# KiCad board output.Panel_R0.5.1_300x300_2layer_step1_Modified_1and5_only.kicad_pcb
title: microRusEfi; date: 2020-05-01; rev: R0.5.1
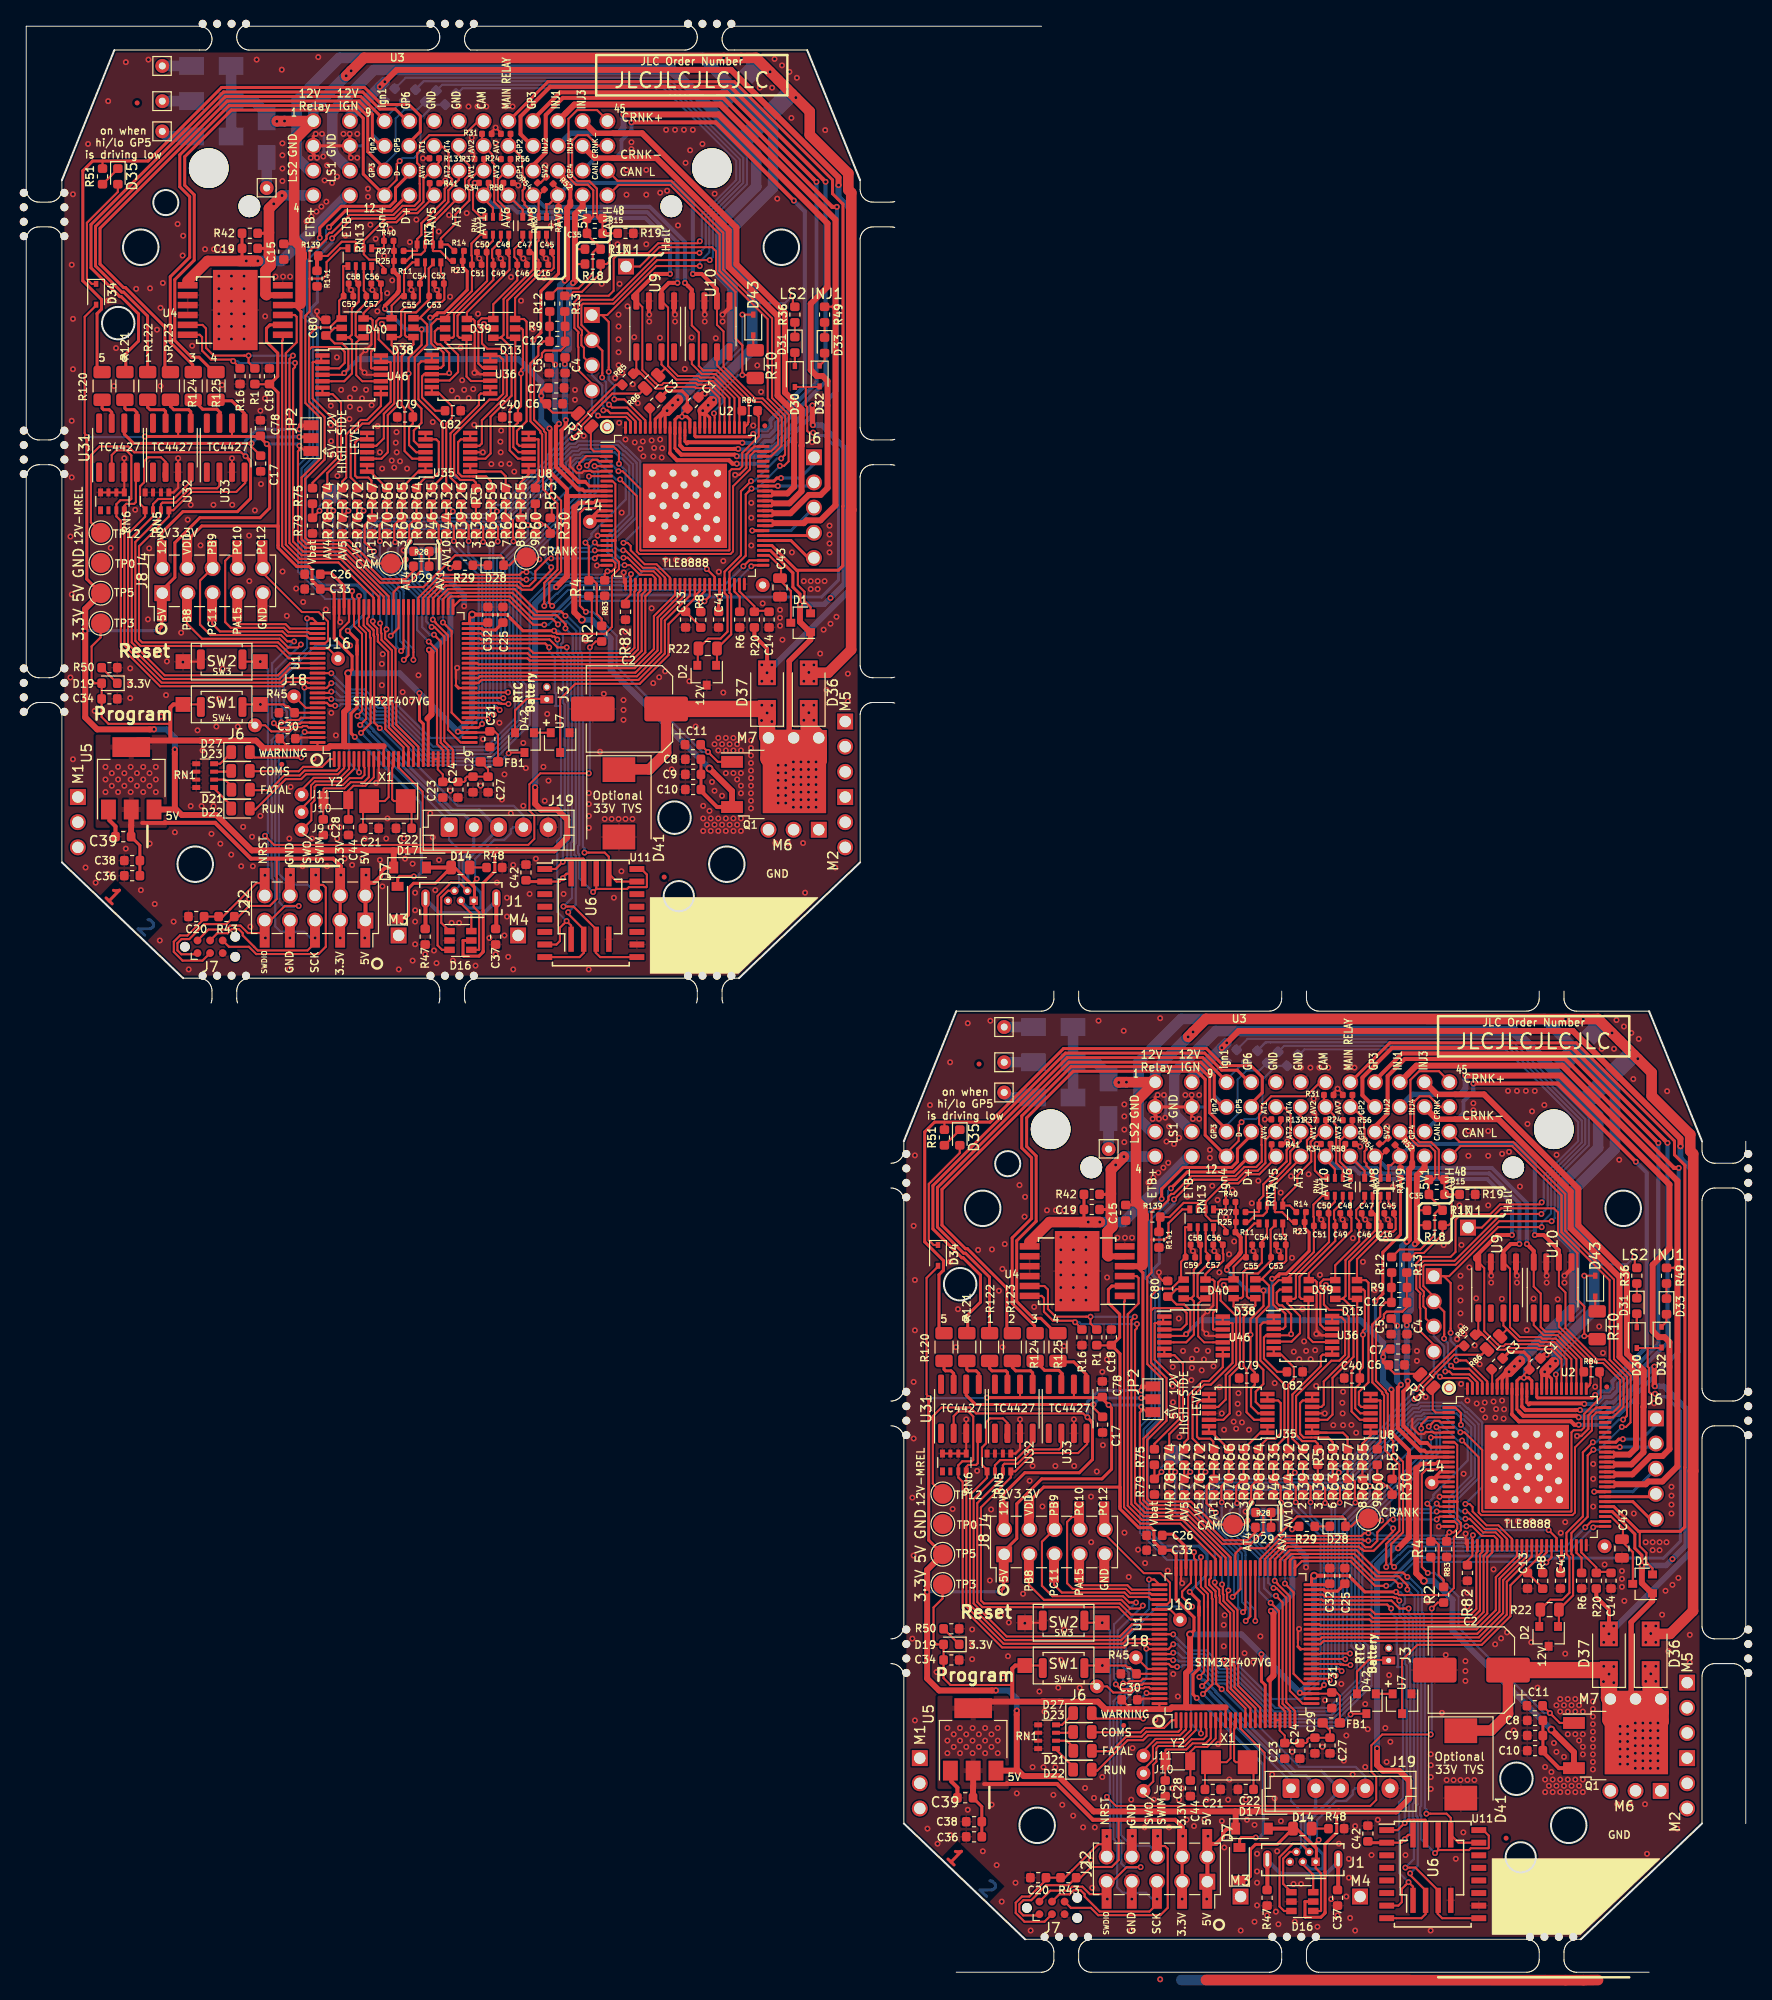
[diagram p0: board, top side]
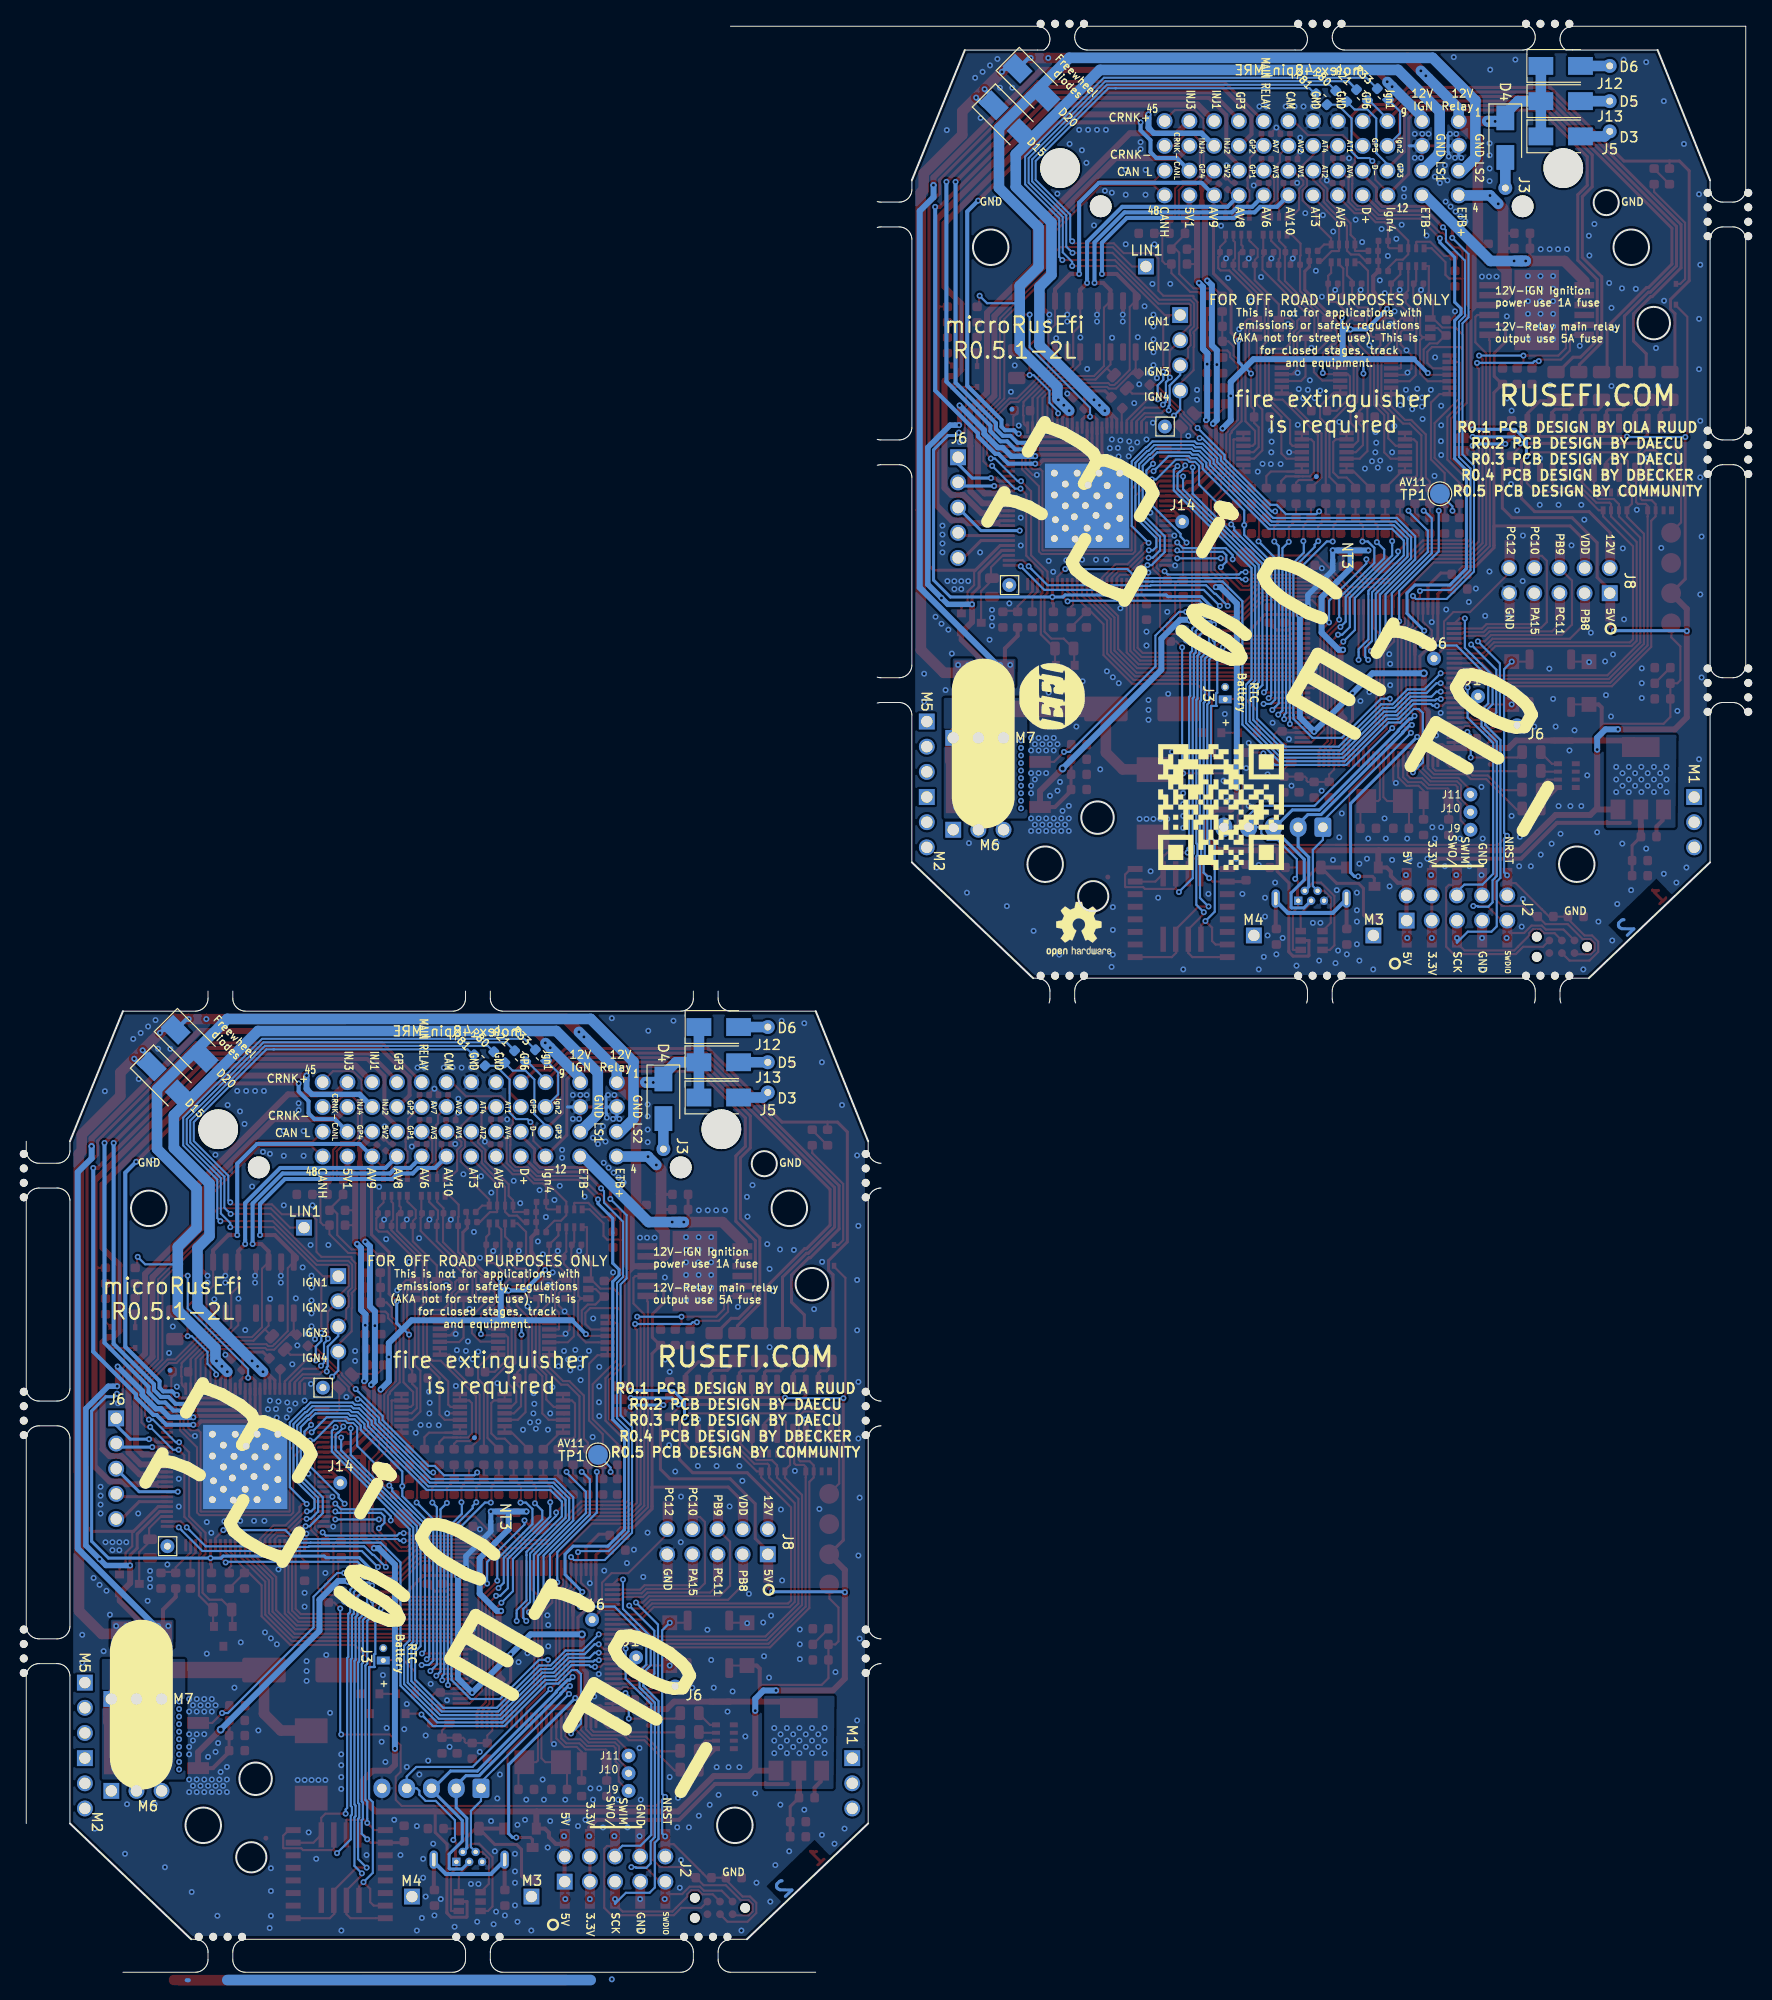
[diagram p1: board, bottom side, seen from below]

Outline 173.6 x 196.4 mm; copper layers: Top, Bottom. Coordinates in mm from the lower left corner of the outline.

## Placement (name value [footprint] x y rotation side)
C1  100nF  [C_0603_1608Metric]  67.3 158.4 45 top
C1#2  100nF  [C_0603_1608Metric]  152.3 61.4 45 top
C2  100UF 50V  [CP_Elec_8x10.5]  60.9 127.5 180 top
C2#2  100UF 50V  [CP_Elec_8x10.5]  145.9 30.5 180 top
C3  4.7nF  [C_0603_1608Metric]  148.5 61.4 225 top
C3#2  4.7nF  [C_0603_1608Metric]  63.5 158.4 225 top
C4  470nF  [C_0603_1608Metric]  54.4 162.19 270 top
C4#2  470nF  [C_0603_1608Metric]  139.4 65.19 270 top
C5  470nF  [C_0603_1608Metric]  52.8 162.19 270 top
C5#2  470nF  [C_0603_1608Metric]  137.8 65.19 270 top
C6  100nF  [C_0603_1608Metric]  53.36 158.3 0 top
C6#2  100nF  [C_0603_1608Metric]  138.36 61.3 0 top
C7  10uF  [C_0603_1608Metric]  53.51 159.9 0 top
C7#2  10uF  [C_0603_1608Metric]  138.51 62.9 0 top
C8  10uF  [C_0603_1608Metric]  67.33 122.42 180 top
C8#2  10uF  [C_0603_1608Metric]  152.33 25.42 180 top
C9  10uF  [C_0603_1608Metric]  67.33 120.89 180 top
C9#2  10uF  [C_0603_1608Metric]  152.33 23.89 180 top
C10  100nF  [C_0603_1608Metric]  67.33 119.37 180 top
C10#2  100nF  [C_0603_1608Metric]  152.33 22.37 180 top
C11  4.7nF  [C_0603_1608Metric]  67.3 123.9 180 top
C11#2  4.7nF  [C_0603_1608Metric]  152.3 26.9 180 top
C12  1nF  [C_0603_1608Metric]  53.61 164.6 0 top
C12#2  1nF  [C_0603_1608Metric]  138.61 67.6 0 top
C13  100nF  [C_0603_1608Metric]  66.57 136.52 270 top
C13#2  100nF  [C_0603_1608Metric]  151.57 39.52 270 top
C14  100nF  [C_0603_1608Metric]  75 136.52 270 top
C14#2  100nF  [C_0603_1608Metric]  160 39.52 270 top
C15  100nF  [C_0603_1608Metric]  26 173.65 270 top
C15#2  100nF  [C_0603_1608Metric]  111 76.65 270 top
C16  100nF  [C_0402_1005Metric]  52.6 173.6 180 top
C16#2  100nF  [C_0402_1005Metric]  137.6 76.6 180 top
C17  100nF  [C_0603_1608Metric]  23.67 152.26 270 top
C17#2  100nF  [C_0603_1608Metric]  108.67 55.27 270 top
C18  100nF  [C_0603_1608Metric]  24.55 161.08 90 top
C18#2  100nF  [C_0603_1608Metric]  109.55 64.08 90 top
C19  10nF  [C_0603_1608Metric]  22.57 173.98 0 top
C19#2  10nF  [C_0603_1608Metric]  107.57 76.98 0 top
C20  10nF  [C_0603_1608Metric]  17.16 106.55 0 top
C20#2  10nF  [C_0603_1608Metric]  102.16 9.55 0 top
C21  18pF  [C_0603_1608Metric]  34.79 115.45 0 top
C21#2  18pF  [C_0603_1608Metric]  119.79 18.45 0 top
C22  18pF  [C_0603_1608Metric]  38.12 115.45 180 top
C22#2  18pF  [C_0603_1608Metric]  123.12 18.45 180 top
C23  1uF  [C_0603_1608Metric]  42.06 119.35 90 top
C23#2  1uF  [C_0603_1608Metric]  127.06 22.35 90 top
C24  100nF  [C_0603_1608Metric]  43.58 119.35 90 top
C24#2  100nF  [C_0603_1608Metric]  128.58 22.35 90 top
C25  2.2uF  [C_0603_1608Metric]  48.13 137 90 top
C25#2  2.2uF  [C_0603_1608Metric]  133.13 40 90 top
C26  2.2uF  [C_0603_1608Metric]  28.9 141.09 180 top
C26#2  2.2uF  [C_0603_1608Metric]  113.9 44.09 180 top
C27  1uF  [C_0603_1608Metric]  46.63 119.88 90 top
C27#2  1uF  [C_0603_1608Metric]  131.63 22.88 90 top
C28  6.8pF  [C_0603_1608Metric]  29.99 115.56 270 top
C28#2  6.8pF  [C_0603_1608Metric]  114.99 18.56 270 top
C29  10nF  [C_0603_1608Metric]  45.1 119.88 90 top
C29#2  10nF  [C_0603_1608Metric]  130.1 22.88 90 top
C30  100nF  [C_0603_1608Metric]  26.38 124.5 180 top
C30#2  100nF  [C_0603_1608Metric]  111.38 27.5 180 top
C31  100nF  [C_0603_1608Metric]  46.8 124.45 90 top
C31#2  100nF  [C_0603_1608Metric]  131.8 27.45 90 top
C32  100nF  [C_0603_1608Metric]  46.6 137 270 top
C32#2  100nF  [C_0603_1608Metric]  131.6 40 270 top
C33  100nF  [C_0603_1608Metric]  28.9 139.6 0 top
C33#2  100nF  [C_0603_1608Metric]  113.9 42.6 0 top
C34  100nF  [C_0603_1608Metric]  8.4 128.52 180 top
C34#2  100nF  [C_0603_1608Metric]  93.4 31.52 180 top
C35  1nF  [C_0603_1608Metric]  57.4 175.5 0 top
C35#2  1nF  [C_0603_1608Metric]  142.4 78.5 0 top
C36  1uF  [C_0603_1608Metric]  10.69 110.67 0 top
C36#2  1uF  [C_0603_1608Metric]  95.69 13.67 0 top
C37  100nF  [C_0603_1608Metric]  47.39 104.51 270 top
C37#2  100nF  [C_0603_1608Metric]  132.39 7.51 270 top
C38  100nF  [C_0603_1608Metric]  10.69 112.2 180 top
C38#2  100nF  [C_0603_1608Metric]  95.69 15.2 180 top
C39  22uF  [C_0603_1608Metric]  9.8 114.61 0 top
C39#2  22uF  [C_0603_1608Metric]  94.8 17.61 0 top
C40  10nF  [C_0603_1608Metric]  48.85 156.96 180 top
C40#2  10nF  [C_0603_1608Metric]  133.85 59.96 180 top
C41  2.2uF  [C_0603_1608Metric]  69.9 136.52 270 top
C41#2  2.2uF  [C_0603_1608Metric]  154.9 39.52 270 top
C42  100nF  [C_0603_1608Metric]  50.45 111 270 top
C42#2  100nF  [C_0603_1608Metric]  135.45 14 270 top
C43  22uF 25V  [C_0805_2012Metric]  76.1 139.76 270 top
C43#2  22uF 25V  [C_0805_2012Metric]  161.1 42.76 270 top
C44  6.8pF  [C_0603_1608Metric]  32.53 115.56 90 top
C44#2  6.8pF  [C_0603_1608Metric]  117.53 18.56 90 top
C45  100nF  [C_0402_1005Metric]  52.22 172.33 0 top
C45#2  100nF  [C_0402_1005Metric]  137.22 75.33 0 top
C46  100nF  [C_0402_1005Metric]  50.31 173.6 180 top
C46#2  100nF  [C_0402_1005Metric]  135.31 76.6 180 top
C47  100nF  [C_0402_1005Metric]  50.06 172.33 0 top
C47#2  100nF  [C_0402_1005Metric]  135.06 75.33 0 top
C48  100nF  [C_0402_1005Metric]  48.15 173.6 180 top
C48#2  100nF  [C_0402_1005Metric]  133.15 76.6 180 top
C49  100nF  [C_0402_1005Metric]  47.64 172.33 0 top
C49#2  100nF  [C_0402_1005Metric]  132.64 75.33 0 top
C50  100nF  [C_0402_1005Metric]  45.99 173.6 180 top
C50#2  100nF  [C_0402_1005Metric]  130.99 76.6 180 top
C51  100nF  [C_0402_1005Metric]  45.48 172.33 0 top
C51#2  100nF  [C_0402_1005Metric]  130.48 75.33 0 top
C52  100nF  [C_0402_1005Metric]  41.67 170.43 180 top
C52#2  100nF  [C_0402_1005Metric]  126.67 73.43 180 top
C53  100nF  [C_0402_1005Metric]  41.17 169.16 0 top
C53#2  100nF  [C_0402_1005Metric]  126.17 72.16 0 top
C54  100nF  [C_0402_1005Metric]  39.26 170.43 180 top
C54#2  100nF  [C_0402_1005Metric]  124.26 73.43 180 top
C55  100nF  [C_0402_1005Metric]  38.63 169.16 0 top
C55#2  100nF  [C_0402_1005Metric]  123.63 72.16 0 top
C56  100nF  [C_0402_1005Metric]  35.32 170.43 180 top
C56#2  100nF  [C_0402_1005Metric]  120.32 73.43 180 top
C57  100nF  [C_0402_1005Metric]  34.82 169.16 0 top
C57#2  100nF  [C_0402_1005Metric]  119.82 72.16 0 top
C58  100nF  [C_0402_1005Metric]  33.04 170.43 180 top
C58#2  100nF  [C_0402_1005Metric]  118.04 73.43 180 top
C59  100nF  [C_0402_1005Metric]  32.53 169.16 0 top
C59#2  100nF  [C_0402_1005Metric]  117.53 72.16 0 top
C78  100nF  [C_0603_1608Metric]  23.64 155.85 90 top
C78#2  100nF  [C_0603_1608Metric]  108.64 58.85 90 top
C79  10nF  [C_0603_1608Metric]  38.25 156.96 180 top
C79#2  10nF  [C_0603_1608Metric]  123.25 59.96 180 top
C80  10nF  [C_0603_1608Metric]  30.24 165.98 90 top
C80#2  10nF  [C_0603_1608Metric]  115.24 68.98 90 top
C82  10nF  [C_0603_1608Metric]  43.07 157.6 0 top
C82#2  10nF  [C_0603_1608Metric]  128.07 60.6 0 top
D1  BAV70  [SOT-23]  78.19 136.2 180 top
D1#2  BAV70  [SOT-23]  163.19 39.2 180 top
D2  PESD1CAN-UX  [SOT-23]  68.7 130.9 270 top
D2#2  PESD1CAN-UX  [SOT-23]  153.7 33.9 270 top
D3  SS54  [D_SMA]  18.69 185.28 180 bottom
D3#2  SS54  [D_SMA]  103.69 88.28 180 bottom
D4  SS54  [D_SMA]  24.27 185.16 270 bottom
D4#2  SS54  [D_SMA]  109.28 88.16 270 bottom
D5  SS54  [D_SMA]  18.69 188.84 180 bottom
D5#2  SS54  [D_SMA]  103.69 91.84 180 bottom
D6  SS54  [D_SMA]  18.69 192.4 180 bottom
D6#2  SS54  [D_SMA]  103.69 95.4 180 bottom
D7  B5819W  [D_SOD-123]  37.48 107.94 90 top
D7#2  B5819W  [D_SOD-123]  122.48 10.94 90 top
D13  SRV05-4  [SOT-23-6]  48.25 165.9 0 top
D13#2  SRV05-4  [SOT-23-6]  133.25 68.9 0 top
D14  LED-GREEN  [C_0805_2012Metric]  43.83 111.5 180 top
D14#2  LED-GREEN  [C_0805_2012Metric]  128.83 14.5 180 top
D15  SS54  [D_SMA]  74.51 187.01 225 bottom
D15#2  SS54  [D_SMA]  159.51 90.01 225 bottom
D16  SRV05-4  [SOT-23-6]  43.83 104.13 0 top
D16#2  SRV05-4  [SOT-23-6]  128.83 7.13 0 top
D17  B5819W  [D_SOD-123]  38.75 111.5 0 top
D17#2  B5819W  [D_SOD-123]  123.75 14.5 0 top
D19  LED-RED  [LED_0603_1608Metric]  8.4 130.09 180 top
D19#2  LED-RED  [LED_0603_1608Metric]  93.4 33.09 180 top
D20  SS54  [D_SMA]  72.1 190.7 225 bottom
D20#2  SS54  [D_SMA]  157.1 93.7 225 bottom
D21  LED-RED  [LED_0805_2012Metric]  21.65 119.35 0 top
D21#2  LED-RED  [LED_0805_2012Metric]  106.65 22.35 0 top
D22  LED-GREEN  [LED_0805_2012Metric]  21.63 117.45 0 top
D22#2  LED-GREEN  [LED_0805_2012Metric]  106.63 20.45 0 top
D23  LED-BLUE  [LED_0805_2012Metric]  21.63 121.25 0 top
D23#2  LED-BLUE  [LED_0805_2012Metric]  106.63 24.25 0 top
D27  LED-YELLOW  [LED_0805_2012Metric]  21.63 123.15 0 top
D27#2  LED-YELLOW  [LED_0805_2012Metric]  106.63 26.15 0 top
D28  LED-RED  [LED_0603_1608Metric]  47.4 142 0 top
D28#2  LED-RED  [LED_0603_1608Metric]  132.4 45 0 top
D29  LED-RED  [LED_0603_1608Metric]  39.9 143.4 180 top
D29#2  LED-RED  [LED_0603_1608Metric]  124.9 46.4 180 top
D30  1N4148WS  [D_SOD-323]  77.6 161.05 270 top
D30#2  1N4148WS  [D_SOD-323]  162.6 64.05 270 top
D31  LED-RED  [LED_0603_1608Metric]  77.6 164.25 270 top
D31#2  LED-RED  [LED_0603_1608Metric]  162.6 67.25 270 top
D32  1N4148WS  [D_SOD-323]  80.1 161.1 270 top
D32#2  1N4148WS  [D_SOD-323]  165.1 64.1 270 top
D33  LED-RED  [LED_0603_1608Metric]  80.6 164.2 270 top
D33#2  LED-RED  [LED_0603_1608Metric]  165.6 67.2 270 top
D34  1N4148WS  [D_SOD-323]  7.05 169.35 270 top
D34#2  1N4148WS  [D_SOD-323]  92.05 72.35 270 top
D35  LED-RED  [LED_0603_1608Metric]  9.25 181.25 270 top
D35#2  LED-RED  [LED_0603_1608Metric]  94.25 84.25 270 top
D36  SS54  [D_SMA]  79 129.15 90 top
D36#2  SS54  [D_SMA]  164 32.15 90 top
D37  SS54  [D_SMA]  74.79 129.15 90 top
D37#2  SS54  [D_SMA]  159.79 32.15 90 top
D38  SRV05-4  [SOT-23-6]  37.99 165.98 0 top
D38#2  SRV05-4  [SOT-23-6]  122.99 68.98 0 top
D39  SRV05-4  [SOT-23-6]  43.39 165.9 180 top
D39#2  SRV05-4  [SOT-23-6]  128.39 68.9 180 top
D40  SRV05-4  [SOT-23-6]  32.95 165.96 180 top
D40#2  SRV05-4  [SOT-23-6]  117.95 68.96 180 top
D41  SM15T33C  [D_SMC]  59.83 117.98 270 top
D41#2  SM15T33C  [D_SMC]  144.84 20.97 270 top
D42  BAV70  [SOT-23]  50.3 124.1 270 top
D42#2  BAV70  [SOT-23]  135.3 27.1 270 top
D43  1N4148WS  [D_SOD-323]  73.4 166.25 90 top
D43#2  1N4148WS  [D_SOD-323]  158.4 69.25 90 top
FB1  FILTER  [R_0603_1608Metric_Pad1.05x0.95mm_HandSolder]  46.75 122.17 180 top
FB1#2  FILTER  [R_0603_1608Metric_Pad1.05x0.95mm_HandSolder]  131.75 25.17 180 top
FID1  Fiducial  [Fiducial_0.5mm_Mask1mm]  11.19 188.66 0 top
FID1#2  Fiducial  [Fiducial_0.5mm_Mask1mm]  96.19 91.66 0 top
FID2  Fiducial  [Fiducial_0.5mm_Mask1mm]  25.8 121.91 0 top
FID2#2  Fiducial  [Fiducial_0.5mm_Mask1mm]  110.8 24.91 0 top
FID3  Fiducial  [Fiducial_0.5mm_Mask1mm]  74.57 156.07 0 top
FID3#2  Fiducial  [Fiducial_0.5mm_Mask1mm]  159.57 59.08 0 top
FID4  Fiducial  [Fiducial_0.5mm_Mask1mm]  64.41 110.53 0 top
FID4#2  Fiducial  [Fiducial_0.5mm_Mask1mm]  149.41 13.53 0 top
FID5  Fiducial  [Fiducial_0.5mm_Mask1mm]  74.08 157.75 0 bottom
FID5#2  Fiducial  [Fiducial_0.5mm_Mask1mm]  159.08 60.75 0 bottom
FID6  Fiducial  [Fiducial_0.5mm_Mask1mm]  43.35 150.95 0 bottom
FID6#2  Fiducial  [Fiducial_0.5mm_Mask1mm]  128.35 53.95 0 bottom
G1  Disclaimer  [Off_Road_Disclaimer]  42.06 165.6 180 bottom
G1#2  Disclaimer  [Off_Road_Disclaimer]  127.06 68.6 180 bottom
J1  USB_B_Micro  [USB_Micro-B_Wuerth_614105150721_Vertical]  45.18 108.15 180 top
J1#2  USB_B_Micro  [USB_Micro-B_Wuerth_614105150721_Vertical]  130.18 11.15 180 top
J2  Conn_02x05_Odd_Even  [PinSocket_2x05_P2.54mm_Vertical_SMD]  29.15 107.43 270 top
J2#2  Conn_02x05_Odd_Even  [PinSocket_2x05_P2.54mm_Vertical_SMD]  114.15 10.43 270 top
J3  Conn_01x01  [Pin_D0.7mm_L6.5mm_W1.8mm_FlatFork]  24.27 180.08 270 top
J3#2  Conn_01x01  [Pin_D0.7mm_L6.5mm_W1.8mm_FlatFork]  109.28 83.08 270 top
J4  Conn_02x05_Counter_Clockwise  [PinHeader_2x05_P2.54mm_Vertical_SMD]  18.76 140.43 90 top
J4#2  Conn_02x05_Counter_Clockwise  [PinHeader_2x05_P2.54mm_Vertical_SMD]  103.76 43.43 90 top
J5  Conn_01x01  [Pin_D0.7mm_L6.5mm_W1.8mm_FlatFork]  13.73 185.79 0 top
J5#2  Conn_01x01  [Pin_D0.7mm_L6.5mm_W1.8mm_FlatFork]  98.73 88.79 0 top
J7  TC2030  [Tag-Connect_TC2030-IDC-NL_2x03_P1.27mm_Vertical]  18.56 103.5 0 top
J7#2  TC2030  [Tag-Connect_TC2030-IDC-NL_2x03_P1.27mm_Vertical]  103.56 6.5 0 top
J12  Conn_01x01  [Pin_D0.7mm_L6.5mm_W1.8mm_FlatFork]  13.73 192.4 0 top
J12#2  Conn_01x01  [Pin_D0.7mm_L6.5mm_W1.8mm_FlatFork]  98.73 95.4 0 top
J13  Conn_01x01  [Pin_D0.7mm_L6.5mm_W1.8mm_FlatFork]  13.73 188.84 0 top
J13#2  Conn_01x01  [Pin_D0.7mm_L6.5mm_W1.8mm_FlatFork]  98.73 91.84 0 top
J15  Conn_01x01  [Pin_D0.7mm_L6.5mm_W1.8mm_FlatFork]  58.65 156 0 bottom
J15#2  Conn_01x01  [Pin_D0.7mm_L6.5mm_W1.8mm_FlatFork]  143.65 59 0 bottom
J17  Conn_01x01  [Pin_D0.7mm_L6.5mm_W1.8mm_FlatFork]  74.35 140 0 bottom
J17#2  Conn_01x01  [Pin_D0.7mm_L6.5mm_W1.8mm_FlatFork]  159.35 43 0 bottom
J19  Conn_01x06  [JST_EH_B5B-EH-A_1x05_P2.50mm_Vertical]  42.69 115.56 0 top
J19#2  Conn_01x06  [JST_EH_B5B-EH-A_1x05_P2.50mm_Vertical]  127.69 18.56 0 top
JP2  High side voltage 5V 12V  [SolderJumper-3_P1.3mm_Open_Pad1.0x1.5mm]  28.75 154.83 90 top
JP2#2  High side voltage 5V 12V  [SolderJumper-3_P1.3mm_Open_Pad1.0x1.5mm]  113.75 57.83 90 top
LOGO1  DNP  [OSHW-Logo2_7.3x6mm_SilkScreen]  67.33 105.28 180 bottom
LOGO2  DNP  [LOGO]  70 128.77 90 bottom
LOGO3  LOGO  [MRE_QR_code]  52.98 117.59 0 bottom
NOREF  -  [holes]  -0.25 175.21 0 top
NOREF#2  -  [holes#2]  17.81 100.58 0 top
NOREF#3  -  [holes#2]  40.81 196.65 0 top
NOREF#4  -  [holes#2]  66.81 196.65 0 top
NOREF#5  -  [holes#2]  17.81 196.65 0 top
NOREF#6  -  [holes#2]  40.81 100.58 0 top
NOREF#7  -  [holes#2]  66.81 100.58 0 top
NOREF#8  -  [holes#2]  102.81 3.58 0 top
NOREF#9  -  [holes#2]  125.81 3.58 0 top
NOREF#10  -  [holes#2]  151.81 3.58 0 top
NOREF#11  -  [holes#3]  88.85 34.59 0 top
NOREF#12  -  [holes#3]  88.85 58.59 0 top
NOREF#13  -  [holes#3]  173.85 34.59 0 top
NOREF#14  -  [holes#3]  173.85 58.59 0 top
NOREF#15  -  [holes#3]  173.85 82.59 0 top
NOREF#16  -  [holes#3]  88.85 82.59 0 top
NOREF#17  -  [holes#3]  3.85 179.59 0 top
NOREF#18  -  [holes]  -0.25 151.21 0 top
NOREF#19  -  [holes#3]  3.85 155.59 0 top
NOREF#20  -  [holes]  -0.25 127.21 0 top
NOREF#21  -  [holes#3]  3.85 131.59 0 top
NT1  Net-Tie_2  [Net-Tie_2_8.5mil]  35.07 135.25 270 top
NT1#2  Net-Tie_2  [Net-Tie_2_8.5mil]  120.07 38.25 270 top
NT2  Net-Tie_2  [Net-Tie_2_8.5mil]  43.39 130.09 270 top
NT2#2  Net-Tie_2  [Net-Tie_2_8.5mil]  128.39 33.09 270 top
NT3  Analog Ground Net Tie  [NetTie-2_SMD_Pad0.5mm]  41.7 143 90 bottom
NT3#2  Analog Ground Net Tie  [NetTie-2_SMD_Pad0.5mm]  126.7 46 90 bottom
Q1  IPD30N06S2L-23  [TO-252-2]  75.46 119.88 0 top
Q1#2  IPD30N06S2L-23  [TO-252-2]  160.46 22.88 0 top
R1  10K  [R_0603_1608Metric]  23.08 161.08 90 top
R1#2  10K  [R_0603_1608Metric]  108.08 64.08 90 top
R2  0R  [R_0603_1608Metric]  58.1 135.1 270 top
R2#2  0R  [R_0603_1608Metric]  143.1 38.1 270 top
R3  10K  [R_0805_2012Metric]  56.38 156.66 135 top
R3#2  10K  [R_0805_2012Metric]  141.38 59.66 135 top
R4  10K  [R_0603_1608Metric]  56.8 139.69 90 top
R4#2  10K  [R_0603_1608Metric]  141.8 42.69 90 top
R5  6.8K  [R_0603_1608Metric]  45.4 149 90 top
R5#2  6.8K  [R_0603_1608Metric]  130.4 52 90 top
R6  10K  [R_0603_1608Metric]  72.03 136.52 90 top
R6#2  10K  [R_0603_1608Metric]  157.03 39.52 90 top
R7  DNP  [R_0402_1005Metric]  53.74 177.67 90 top
R7#2  DNP  [R_0402_1005Metric]  138.74 80.66 90 top
R8  0R  [R_0603_1608Metric]  68.1 136.5 90 top
R8#2  0R  [R_0603_1608Metric]  153.1 39.5 90 top
R9  4.7K  [R_0603_1608Metric]  53.61 166.11 0 top
R9#2  4.7K  [R_0603_1608Metric]  138.61 69.11 0 top
R10  1k  [R_1206_3216Metric]  73.6 162.3 270 top
R10#2  1k  [R_1206_3216Metric]  158.6 65.3 270 top
R11  DNP  [R_0402_1005Metric]  36.59 171.7 0 top
R11#2  DNP  [R_0402_1005Metric]  121.59 74.7 0 top
R12  10K  [R_0603_1608Metric]  52.85 168.4 270 top
R12#2  10K  [R_0603_1608Metric]  137.85 71.4 270 top
R13  10K  [R_0603_1608Metric]  54.37 168.4 270 top
R13#2  10K  [R_0603_1608Metric]  139.37 71.4 270 top
R14  2.7k  [R_0402_1005Metric]  43.71 173.73 0 top
R14#2  2.7k  [R_0402_1005Metric]  128.71 76.73 0 top
R15  15k  [R_0603_1608Metric]  57.4 177 0 top
R15#2  15k  [R_0603_1608Metric]  142.4 80 0 top
R16  10K  [R_0603_1608Metric]  21.58 161.08 270 top
R16#2  10K  [R_0603_1608Metric]  106.58 64.08 270 top
R17  DNP  [R_0603_1608Metric]  57.2 173.9 0 top
R17#2  DNP  [R_0603_1608Metric]  142.2 76.9 0 top
R18  DNP  [R_0603_1608Metric]  57.2 172.4 0 top
R18#2  DNP  [R_0603_1608Metric]  142.2 75.4 0 top
R19  DNP  [R_0603_1608Metric]  60.5 175.5 180 top
R19#2  DNP  [R_0603_1608Metric]  145.5 78.5 180 top
R20  2.7k  [R_0603_1608Metric]  73.51 136.52 270 top
R20#2  2.7k  [R_0603_1608Metric]  158.51 39.52 270 top
R21  0R  [R_0603_1608Metric]  38.74 189.44 45 bottom
R21#2  0R  [R_0603_1608Metric]  123.74 92.44 45 bottom
R22  120  [R_0805_2012Metric]  68.8 133.6 0 top
R22#2  120  [R_0805_2012Metric]  153.8 36.6 0 top
R23  2.7k  [R_0402_1005Metric]  43.58 172.71 0 top
R23#2  2.7k  [R_0402_1005Metric]  128.58 75.71 0 top
R24  470K  [R_0402_1005Metric]  48.41 183 180 top
R24#2  470K  [R_0402_1005Metric]  133.41 86 180 top
R25  2.7k  [R_0402_1005Metric]  37.61 172.71 180 top
R25#2  2.7k  [R_0402_1005Metric]  122.61 75.71 180 top
R26  6.8K  [R_0603_1608Metric]  43.9 149 90 top
R26#2  6.8K  [R_0603_1608Metric]  128.9 52 90 top
R27  2.7k  [R_0402_1005Metric]  37.61 173.73 180 top
R27#2  2.7k  [R_0402_1005Metric]  122.61 76.73 180 top
R28  2.2k  [R_0603_1608Metric]  39.89 141.9 0 top
R28#2  2.2k  [R_0603_1608Metric]  124.89 44.9 0 top
R29  1k  [R_0603_1608Metric]  44.3 142 180 top
R29#2  1k  [R_0603_1608Metric]  129.3 45 180 top
R30  0R  [R_0603_1608Metric]  52.9 145.99 270 top
R30#2  0R  [R_0603_1608Metric]  137.9 48.99 270 top
R31  470K  [R_0402_1005Metric]  46.5 185.54 0 top
R31#2  470K  [R_0402_1005Metric]  131.5 88.54 0 top
R32  6.8K  [R_0603_1608Metric]  42.4 149 90 top
R32#2  6.8K  [R_0603_1608Metric]  127.4 52 90 top
R33  0R  [R_0603_1608Metric]  36.64 189.54 45 bottom
R33#2  0R  [R_0603_1608Metric]  121.64 92.54 45 bottom
R34  470K  [R_0402_1005Metric]  46.2 180.59 180 top
R34#2  470K  [R_0402_1005Metric]  131.2 83.59 180 top
R35  6.8K  [R_0603_1608Metric]  40.9 149 90 top
R35#2  6.8K  [R_0603_1608Metric]  125.9 52 90 top
R36  1k  [R_0603_1608Metric]  77.6 167.3 90 top
R36#2  1k  [R_0603_1608Metric]  162.6 70.3 90 top
R37  470K  [R_0402_1005Metric]  45.74 183 180 top
R37#2  470K  [R_0402_1005Metric]  130.74 86 180 top
R38  10K  [R_0603_1608Metric]  45.4 146 90 top
R38#2  10K  [R_0603_1608Metric]  130.4 49 90 top